# Altium PCB ZoM-Model-A.PcbDoc (part 1 of 3) (continued)
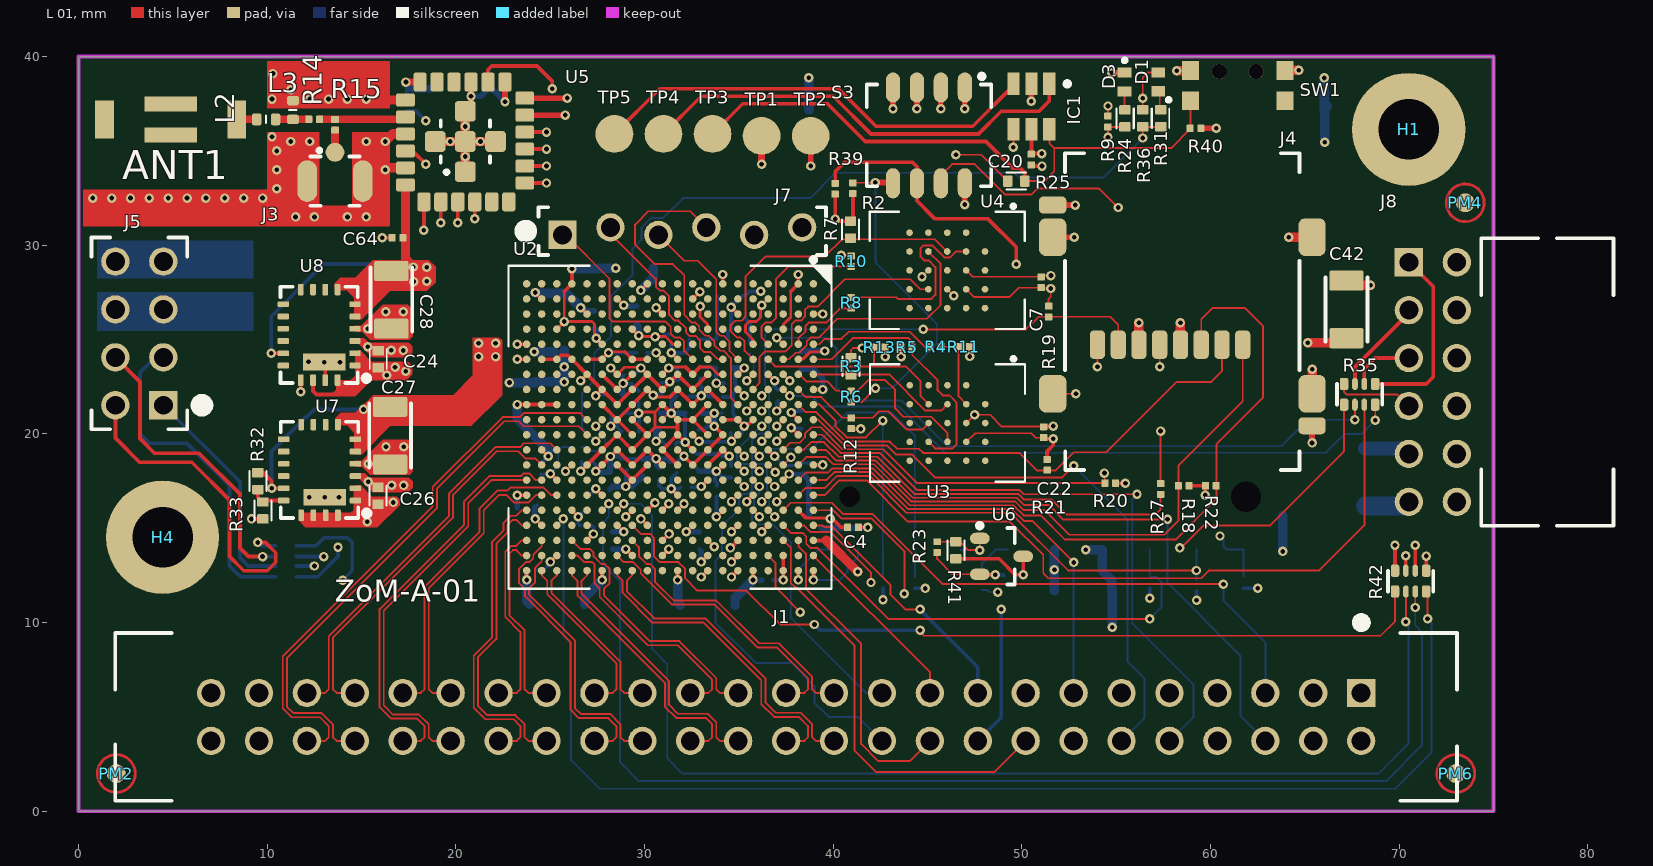
[diagram p0: L 01 view]
## Design rules (kind name [scope] priority, off if disabled: settings) (continued)
PolygonConnect [All] p3: connectstyle=Relief reliefconductorwidth=0.2 reliefentries=4 polygonreliefangle="90 Angle" airgapwidth=0.254
RoomDefinition ZoM-Model-A [InComponentClass('ZoM-Model-A')] p1: confinementstyle=ConfineIn formatcopy=TRUE lockcomponents=FALSE outline -179.174,-111.365 -128.374,-111.365 -128.374,-85.965 -179.174,-85.965
RoomDefinition FPGA-Misc [InComponentClass('FPGA-Misc')] p2: confinementstyle=ConfineIn formatcopy=TRUE lockcomponents=FALSE outline -179.174,-111.365 -128.374,-111.365 -128.374,-85.965 -179.174,-85.965
RoomDefinition B2B_Connectors [InComponentClass('B2B_Connectors')] p3: confinementstyle=ConfineIn formatcopy=TRUE lockcomponents=FALSE outline -179.174,-111.365 -128.374,-111.365 -128.374,-85.965 -179.174,-85.965
RoutingLayers "RoutingLayers_impedance control" [(InDifferentialPairClass('All Differential Pairs') OR InNetClass('D100-15') OR InNetClass('D100-25') OR InNetClass('D100-33') OR InNetClass('S50') OR InNetClass('S50-25') OR InNetClass('S50-33') OR InNetClass('S60-15'))] p1: top layer_v5=TRUE mid layer 1_v5=TRUE mid layer 2_v5=FALSE mid layer 3_v5=TRUE mid layer 6_v5=TRUE bottom layer_v5=TRUE
RoutingLayers [All] p2: top layer_v5=TRUE mid layer 1_v5=TRUE mid layer 2_v5=TRUE mid layer 3_v5=TRUE mid layer 6_v5=TRUE bottom layer_v5=TRUE
RoutingVias RoutingVias_Microvia [((StartLayer = 'L 01') And (StopLayer = 'L 02 Gnd')) or ((StartLayer = 'L 09 1V5') And (StopLayer = 'L 10'))] p1: holewidth=0.1 width=0.35 viastyle="Through Hole" minholewidth=0.1 minwidth=0.35 maxholewidth=0.1 maxwidth=0.35
RoutingVias RoutingVias_Burried [(StartLayer = 'L 02 Gnd') And (StopLayer = 'L 09 1V5')] p2: holewidth=0.25 width=0.55 viastyle="Through Hole" minholewidth=0.2 minwidth=0.5 maxholewidth=0.25 maxwidth=0.55
RoutingVias [All] p3: holewidth=0.2 width=0.45 viastyle="Through Hole" minholewidth=0.2 minwidth=0.45 maxholewidth=1 maxwidth=1.5
SMDNeckDown SMDNeckDown_50% [All] p1: percent=50.000
SMDToPlane [All] p1: distance=39370
ShortCircuit [(HasFootprint('MHole2_7mm')) vs InNet('GND')] p1: allowed=TRUE
SilkToSilkClearance [All] p1: silktosilkclearance=0.01
SilkToSolderMaskClearance SilkscreenOverComponentPads [IsPad] p1: minsilkscreentomaskgap=0.01 clearancetoexposedcopper=TRUE
SolderMaskExpansion SolderMaskExpansion_Via [IsVia] p1: expansion=-3
SolderMaskExpansion [All] p2: expansion=0
UnpouredPolygon [All] p1: allowunpoured=FALSE
Width Width_All_Differential_Pairs [(InDifferentialPairClass('All Differential Pairs'))] p1: maxlimit=1 minlimit=0.1 preferedwidth=1 toplayer_maxwidth=0.1 toplayer_prefwidth=0.1 midlayer1_maxwidth=0.1 midlayer1_prefwidth=0.1 midlayer2_minwidth=1 midlayer3_minwidth=0.254 midlayer3_maxwidth=0.254 midlayer3_prefwidth=0.254 midlayer6_minwidth=1 bottomlayer_maxwidth=0.1 bottomlayer_prefwidth=0.1 minimp=50.000000 maximp=50.000000 favimp=50.000000
Width Logo [(InComponent('LOGO*'))] p2: maxlimit=0.254 minlimit=0.001 preferedwidth=0.254 // Protel DXP Scope 1 Expression Was: (InComponent('LOGO?'))
Width All [All] p3: maxlimit=3 minlimit=0.1 preferedwidth=0.2 toplayer_prefwidth=0.12 midlayer1_prefwidth=0.1 midlayer6_prefwidth=0.1 bottomlayer_prefwidth=0.12 minimp=50.000000 maximp=50.000000 favimp=50.000000
13 further rules are at their usual default settings.

## Classes and differential pairs
net class B35: B35_IO0 B35_IO25 B35_L1_N B35_L2_N B35_L2_P B35_L3_N B35_L3_P B35_L4_P B35_L5_N B35_L5_P B35_L6_N B35_L6_P B35_L7_N B35_L7_P B35_L8_N B35_L8_P B35_L9_N B35_L9_P B35_L10_N B35_L10_P B35_L11_N B35_L11_P B35_L12_N B35_L12_P B35_L13_N B35_L13_P B35_L14_N B35_L14_P B35_L15_N B35_L15_P B35_L16_N B35_L16_P B35_L17_N B35_L17_P B35_L18_N B35_L18_P B35_L19_N B35_L19_P B35_L20_N B35_L20_P B35_L21_N B35_L21_P B35_L22_N B35_L22_P B35_L23_N B35_L23_P B35_L24_N B35_L24_P
net class B34: B34_L0 B34_L1_N B34_L1_P B34_L2_N B34_L2_P B34_L4_N B34_L4_P B34_L5_N B34_L5_P B34_L6_N B34_L6_P B34_L7_N B34_L7_P B34_L8_N B34_L8_P B34_L9_N B34_L9_P B34_L10_N B34_L10_P B34_L11_N B34_L11_P B34_L12_N B34_L12_P B34_L13_N B34_L13_P B34_L14_N B34_L14_P B34_L15_N B34_L15_P B34_L16_N B34_L16_P B34_L17_N B34_L17_P B34_L18_N B34_L18_P B34_L25
component class ZoM-Model-A: H1 H4 PM1 PM2 PM3 PM4 PM5 PM6
component class FPGA-Power: C23 C34 C35 C36 C37 C38 C39 C40 C41 C43 C44 C45 C46 C47 C48 C49 C50 C51 C52 C53 C54 C55 C56 C57 C58 C59 C60 C61 C62 C63 L4
component class OBPeripheral: ANT1 C20 C21 C22 C42 C64 C65 D1 D3 IC1 J2 J3 J4 L2 L3 R14 R15 R16 R17 R18 R19 R20 R21 R22 R23 R24 R25 R26 R27 R28 R29 R30 R31 R40 R41 S3 SW1 TP1 TP2 TP3 TP4 TP5 U5 U6
component class PS_MIO: C1 C2 C3 C4 C5 C6 C7 C8 L1 R1 R2 R3 R4 R5 R6 R7 R8 R9 R10 R11 R12 R13 R39 U1 U3 U4
component class B13: U2
net class MIO0: MIO7 MIO14 MIO15
net class MIO1: MIO16 MIO17 MIO18 MIO19 MIO20 MIO21 MIO22 MIO23 MIO24 MIO25 MIO26 MIO27 MIO28 MIO29 MIO30 MIO31 MIO32 MIO33 MIO34 MIO35 MIO36 MIO37 MIO38 MIO39 MIO40 MIO41 MIO42 MIO43 MIO44 MIO45 MIO46 MIO47 MIO48 MIO49 MIO50 MIO51 MIO52 MIO53
net class JTAG: TCK TDI TDO TMS
component class B34: C9 C10 C11 C12 C13 C14 C15
component class POWER: C24 C25 C26 C27 C28 R32 R33 U7 U8
component class B2B_Connectors: C29 C30 J1 J5 J7 J8 R34 R35 R42
component class B35: C16 C17 C18 C19
component class FPGA-Misc: C31 C32 C33 R36 R37 R38
net class USB_ULPI: MIO28 MIO29 MIO30 MIO31 MIO32 MIO33 MIO34 MIO35 MIO36 MIO37 MIO38 MIO39
differential pair B34_L17: +B34_L17_P -B34_L17_N
differential pair B34_L16: +B34_L16_P -B34_L16_N
differential pair B34_L15: +B34_L15_P -B34_L15_N
differential pair B34_L14: +B34_L14_P -B34_L14_N
differential pair B34_L13: +B34_L13_P -B34_L13_N
differential pair B34_L12: +B34_L12_P -B34_L12_N
differential pair B34_L11: +B34_L11_P -B34_L11_N
differential pair B34_L10: +B34_L10_P -B34_L10_N
differential pair B34_L6: +B34_L6_P -B34_L6_N
differential pair B34_L18: +B34_L18_P -B34_L18_N
differential pair B34_L9: +B34_L9_P -B34_L9_N
differential pair B34_L8: +B34_L8_P -B34_L8_N
differential pair B34_L7: +B34_L7_P -B34_L7_N
differential pair B34_L5: +B34_L5_P -B34_L5_N
differential pair B34_L4: +B34_L4_P -B34_L4_N
differential pair B34_L2: +B34_L2_P -B34_L2_N
differential pair B34_L1: +B34_L1_P -B34_L1_N

## Components (designator, comment, footprint, x,y, rotation, side; value= is the part's Value field where it differs from the comment)
ANT1 "Antena 2450AT43B100" "Antena 2450AT43B100" 4.882,36.664 r0 top
C1 "470nF" CAPC0603X33N 34.122,25.022 r0 bottom
C2 "4.7µF" CAPC1005X60N#1 38.316,20.753 r270 bottom
C3 "470nF" CAPC0603X33N 38.393,18.172 r270 bottom
C4 "470nF" CAPC0603X33N 41.047,15.049 r0 top
C5 "4.7µF" CAPC1005X60N#1 38.308,23.902 r270 bottom
C6 "470nF" CAPC0603X33N 37.069,22.041 r270 bottom
C7 "470nF" CAPC0603X33N 51.019,28.04 r90 top
C8 "470nF" CAPC0603X33N 49.326,12.5 r0 bottom
C9 "47µF" CAPC3216X180N 25.364,10.962 r0 bottom
C10 "4.7µF" CAPC1005X60N#1 28.307,14.347 r90 bottom
C11 "4.7µF" CAPC1005X60N#1 23.715,16.099 r180 bottom
C12 "470nF" CAPC0603X33N 24.044,12.794 r0 bottom
C13 "470nF" CAPC0603X33N 26.879,15.15 r180 bottom
C14 "470nF" CAPC0603X33N 26.973,16.359 r270 bottom
C15 "470nF" CAPC0603X33N 24.492,18.162 r90 bottom
C16 "47µF" CAPC3216X180N 33.341,10.93 r0 bottom
C17 "4.7µF" CAPC1005X60N#1 32.891,14.356 r270 bottom
C18 "470nF" CAPC0603X33N 32.191,17.175 r180 bottom
C19 "470nF" CAPC0603X33N 36.5,12.25 r180 bottom
C20 "470nF" CAPC0603X33N 50.49,34.543 r270 top
C21 "47µF" CAPC3216X180N 53.242,11.682 r0 bottom
C22 "470nF" CAPC0603X33N 51.147,20.095 r270 top
C23 "470nF" CAPC0603X33N 31.365,19.471 r0 bottom
C24 "4.7µF" CAPC1005X60N#1 15.885,23.964 r90 top
C25 "47µF" CAPC3216X180N 20.2,38.3 r0 bottom
C26 "4.7µF" CAPC1005X60N#1 15.868,16.724 r90 top
C27 "47µF" CAPC3216X180N 16.513,19.91 r270 top
C28 "47µF" CAPC3216X180N 16.578,27.114 r270 top
C29 "47µF" CAPC3216X180N 7.75,28 r270 bottom
C30 "47µF" CAPC3216X180N 68.2,17.7 r90 bottom
C31 "470nF" CAPC0603X33N 31.389,24.985 r270 bottom
C32 "470nF" CAPC0603X33N 34.856,20.056 r180 bottom
C33 "470nF" CAPC0603X33N 33.865,21.959 r180 bottom
C34 "470nF" CAPC0603X33N 34.583,17.993 r90 bottom
C35 "470nF" CAPC0603X33N 29.052,18.385 r270 bottom
C36 "470nF" CAPC0603X33N 29.177,23.111 r0 bottom
C37 "470nF" CAPC0603X33N 34.409,21.126 r0 bottom
C38 "470nF" CAPC0603X33N 29.691,21.974 r270 bottom
C39 "470nF" CAPC0603X33N 32.563,20.24 r180 bottom
C40 "470nF" CAPC0603X33N 33.834,16.972 r270 bottom
C41 "470nF" CAPC0603X33N 31.703,18.23 r270 bottom
C42 "47µF" CAPC3216X180N 67.2,26.6 r90 top
C43 "470nF" CAPC0603X33N 30.768,17.874 r270 bottom
C44 "470nF" CAPC0603X33N 31.992,21.981 r180 bottom
C45 "470nF" CAPC0603X33N 31.804,23.14 r270 bottom
C46 "470nF" CAPC0603X33N 28.522,21.002 r0 bottom
C47 "470nF" CAPC0603X33N 26.962,18.508 r180 bottom
C48 "470nF" CAPC0603X33N 33.883,19.283 r270 bottom
C49 "4.7µF" CAPC1005X60N#1 32.589,21.098 r180 bottom
C50 "470nF" CAPC0603X33N 30.896,22.453 r90 bottom
C51 "4.7µF" CAPC1005X60N#1 28.166,17.588 r270 bottom
C52 "4.7µF" CAPC1005X60N#1 29.25,20.134 r0 bottom
C53 "4.7µF" CAPC1005X60N#1 29.908,18.21 r270 bottom
C54 "4.7µF" CAPC1005X60N#1 29.566,26.305 r270 bottom
C55 "4.7µF" CAPC1005X60N#1 28.372,22.117 r180 bottom
C56 "4.7µF" CAPC1005X60N#1 27.332,26.059 r90 bottom
C57 "4.7µF" CAPC1005X60N#1 32.902,18.478 r90 bottom
C58 "4.7µF" CAPC1005X60N#2 30.672,20.692 r270 bottom
C59 "100µF" CAPC3216X180N 25.41,26.018 r90 bottom
C60 "100µF" CAPC3216X180N 29,28.5 r180 bottom
C61 "100µF" CAPC3216X180N 24.227,21.271 r270 bottom
C62 "470nF" CAPC0603X33N 34.499,22.672 r0 bottom
C63 "4.7µF" CAPC1005X60N#1 34.24,23.531 r0 bottom
C64 "470nF" CAPC0603X33N 16.9,30.4 r180 top
C65 "470nF" CAPC0603X33N 17.4,37.4 r270 bottom
D1 "LED Red SML-P11UTT86" LEDC1006X25N_RED 57.226,38.659 r270 top
D3 "LED Green SML-P11MTT86" LEDC1006X25N_GREEN 55.444,38.651 r90 top
H1 "Mount.Hole 3.2mm" MHole3_2mm 70.5,36.14 r0 top locked
H4 "Mount.Hole 3.2mm" MHole3_2mm 4.45,14.52 r0 top locked
IC1 "Atmel AVR ATtiny10" SOT23-6 50.503,37.354 r270 top
J1 "WANNE2,54-50 GERADE" "WANNE2,54-50 GERADE" 37.5,5 r180 top locked
J2 "MMC SD Socket" 104C-TAA0-R 52.371,27.168 r0 bottom locked
J3 "U.FL-R-SMT-1" U.FL-R-SMT-1 13.59,33.4 r0 top
J4 "SCHD3A0100" SCHD3A0100 58.503,26.481 r0 top locked
J5 "STIFTLEISTE2.54 OG 2R-8" "STIFTLEISTE2_54 OG 2R-8" 3.22,25.33 r90 top
J7 "Stiftleiste versetzt 1-reihig, 6pol." "STIFTLEISTE2_54 OG 1R-6V" 32,30.75 r0 top
J8 "PMod 2x6 Socket 90°" PMod2x6 71.78,22.75 r270 top locked
L1 "BKP0603HS121-T" INDC0603X33N 32.658,25.022 r0 bottom
L2 "IND-Ferrite" RESC1005X40R 9.94,36.67 r180 top
L3 "IND-Ferrite" RESC1005X40R 11.36,37.17 r90 top
L4 "BKP0603HS121-T" INDC0603X33N 32.93,23.24 r270 bottom
PM1 "FIDU-DOT - small" "FIDU-DOT - small" 73,2 r270 bottom locked
PM2 "FIDU-DOT - small" "FIDU-DOT - small" 2,2 r90 top locked
PM3 "FIDU-DOT - small" "FIDU-DOT - small" 73.5,32.25 r90 bottom
PM4 "FIDU-DOT - small" "FIDU-DOT - small" 73.5,32.25 r90 top
PM5 "FIDU-DOT - small" "FIDU-DOT - small" 2,2 r90 bottom locked
PM6 "FIDU-DOT - small" "FIDU-DOT - small" 73,2 r270 top locked
R1 "33R" RESC0603X26N 35.583,24.583 r270 bottom
R2 "10K" RESC0603X26N 41.042,33.02 r270 top
R3 "470R" RESC1005X40N 40.938,23.585 r270 top
R4 "33R" RESC0603X26N 45.431,24.617 r0 top
R5 "10K" RESC0603X26N 43.893,24.592 r180 top
R6 "10K" RESC0603X26N 40.955,21.979 r270 top
R7 "470R" RESC1005X40N 40.913,30.831 r90 top
R8 "33R" RESC0603X26N 40.942,26.95 r90 top
R9 "10K" RESC0603X26N 54.561,36.56 r270 top
R10 "10K" RESC0603X26N 40.942,29.155 r270 top
R11 "10K" RESC0603X26N 46.928,24.623 r180 top
R12 "10K" RESC0603X26N 40.954,20.565 r90 top
R13 "10K" RESC0603X26N 42.454,24.592 r180 top
R14 "0" RESC0603X26N 12.485,36.67 r180 top
R15 "0" RESC0603X26N 13.59,36.385 r90 top
R16 "10K" RESC0603X26N 59.247,11.988 r90 bottom
R17 "10K" RESC0603X26N 56.775,12.114 r90 bottom
R18 "10K" RESC0603X26N 58.581,17.248 r180 top
R19 "10K" RESC0603X26N 51.413,26.484 r270 top
R20 "10K" RESC0603X26N 54.682,17.39 r180 top
R21 "10K" RESC0603X26N 51.332,18.363 r270 top
R22 "10K" RESC0603X26N 60.011,17.254 r0 top
R23 "4K7" RESC0603X26N 45.5,14 r270 top
R24 "470R" RESC1005X40N 55.457,36.726 r270 top
R25 "470R" RESC1005X40N 49.7,33.4 r180 top
R26 "33R" RESC0603X26N 47.892,12.016 r90 bottom
R27 "33R" RESC0603X26N 57.353,17.083 r90 top
R28 "10K" RESC0603X26N 44.333,12.114 r90 bottom
R29 "10K" RESC0603X26N 42.635,12.114 r90 bottom
R30 "10K" RESC0603X26N 61.749,12.114 r90 bottom
R31 "470R" RESC1005X40N 57.358,36.734 r270 top
R32 "200K" RESC1005X40N 9.5,17.5 r270 top
R33 "301K" RESC1005X40N 9.766,15.943 r270 top
R34 "33R" RESCAX50P100X200X55-8N 11,13.25 r0 bottom
R35 "33R" RESCAX50P100X200X55-8N 67.9,22.1 r270 top
R36 "680R" RESC1005X40N 56.405,36.734 r270 top
R37 "4K7" RESC0603X26N 29.849,24.303 r180 bottom
R38 "4K7" RESC0603X26N 26.372,19.309 r180 bottom
R39 "10K" RESC0603X26N 40.1,33 r90 top
R40 "10K" RESC0603X26N 59.2,36.2 r0 top
R41 "0R" RESC1005X40N 46.5,13.833 r270 top
R42 "33R" RESCAX50P100X200X55-8N 70.6,12.2 r90 top
S3 "CHS-04TA" CHS-04TA 45.071,35.824 r270 top locked
SW1 "4pin button" KMS221G_LFS 61.432,38.457 r180 top
TP1 "TP" TP-SMD-2mm 36.2,35.8 r0 top
TP2 "TP" TP-SMD-2mm 38.8,35.8 r0 top
TP3 "TP" TP-SMD-2mm 33.6,35.9 r0 top
TP4 "TP" TP-SMD-2mm 31,35.9 r0 top
TP5 "TP" TP-SMD-2mm 28.4,35.9 r0 top
U1 "SiT8008AI-73-XXS-33.333333E" 2016 34.581,26.72 r90 bottom
U2 "XA7Z020-1CLG400I" BGA400C80P20X20_1700X1700X160N 31.347,20.355 r270 top locked
U3 "W25Q256FVBIG" BGA24C100P5X5_800X600X120N 46.052,20.577 r270 top locked
U4 "W25Q256FVBIG" BGA24C100P5X5_800X600X120N 46.042,28.669 r270 top locked
U5 "TiWi-uB2" TiWi-uB2 20.5,35.5 r90 top
U6 "ATSHA204A-STUCZ-T" SOT95P237X112-3N 48.916,13.513 r0 top
U7 "EN5311QI" EN5311QI 12.77,18.094 r180 top
U8 "EN5311QI" EN5311QI 12.75,25.25 r180 top

## Footprints (in the part's own frame and the unit in brackets; to place one, negate y for a bottom-side part, rotate by r counter-clockwise, add the part's x,y. Pads: shape width x height; smd on the part's side, far side on the other; paste and mask are expansions set on the pad)
104C-TAA0-R [mm]
  rrect50% 1x1.5 smd: 1(6.875,13.3) 2(4.375,13.3) 3(1.875,13.3) 4(-0.625,13.3) 5(-3.125,13.3) 6(-5.625,13.3) 7(-8.05,13.3) 8(-9.75,13.3) 9(9.375,13.3)
  rrect50% 0.7x1.5 smd: 10(-11.05,13.3) 11(-12.25,13.3)
  rrect50% 1.5x2.8 smd: 12(-13.655,-10) 12(-13.655,11.5) 12(11.445,11.5) 12(13.645,-10)
  round 0 hole 1.1 unplated: H1(-11.5,10.5)
  round 0 hole 1.6 unplated: H2(9.5,10.5)
  silkscreen extent -13.3,-8.2 13.3,12.5, body extent -14.02,-12.5 13.95,13.75, height 3.3
2016 [mm]
  rrect20% 0.8x0.9 smd: 1(0.6,-0.75) 2(0.6,0.75) 3(-0.6,0.75) 4(-0.6,-0.75)
  silkscreen extent -0.82,-0.85 1.4,0.1, body extent -0.82,-1.03 0.82,1.02, height 0.81
"Antena 2450AT43B100" [mm]
  rect 1x2 smd: 1(3.5,0) 2(-3.5,0)
  rect 2.8x0.8 smd: 3(0,0.815) 4(0,-0.815)
  Multi-Layer pour cut-out: -5,3.5 5,3.5 5,-3.5 -5,-3.5
BGA24C100P5X5_800X600X120N [mm]
  round 0.35 smd: A2(-1,2) A3(0,2) A4(1,2) A5(2,2) B1(-2,1) B2(-1,1) B3(0,1) B4(1,1) B5(2,1) C1(-2,0) C2(-1,0) C3(0,0) C4(1,0) C5(2,0) D1(-2,-1) D2(-1,-1) D3(0,-1) D4(1,-1) D5(2,-1) E1(-2,-2) E2(-1,-2) E3(0,-2) E4(1,-2) E5(2,-2)
  silkscreen extent -3.5,-4.11 3.11,4.11, body extent -3.05,-4.05 3.05,4.05, height 1.21
BGA400C80P20X20_1700X1700X160N [mm] "BGA, 400-Balls, Body 17x17mm, Pitch 0.8mm"
  round 0.4 smd: A1(-7.6,7.6) A2(-6.8,7.6) A3(-6,7.6) A4(-5.2,7.6) A5(-4.4,7.6) A6(-3.6,7.6) A7(-2.8,7.6) A8(-2,7.6) A9(-1.2,7.6) A10(-0.4,7.6) A11(0.4,7.6) A12(1.2,7.6) A13(2,7.6) A14(2.8,7.6) A15(3.6,7.6) A16(4.4,7.6) A17(5.2,7.6) A18(6,7.6) A19(6.8,7.6) A20(7.6,7.6) B1(-7.6,6.8) B2(-6.8,6.8) B3(-6,6.8) B4(-5.2,6.8) B5(-4.4,6.8) B6(-3.6,6.8) B7(-2.8,6.8) B8(-2,6.8) B9(-1.2,6.8) B10(-0.4,6.8) B11(0.4,6.8) B12(1.2,6.8) B13(2,6.8) B14(2.8,6.8) B15(3.6,6.8) B16(4.4,6.8) B17(5.2,6.8) B18(6,6.8) B19(6.8,6.8) B20(7.6,6.8) C1(-7.6,6) C2(-6.8,6) C3(-6,6) C4(-5.2,6) C5(-4.4,6) C6(-3.6,6) C7(-2.8,6) C8(-2,6) C9(-1.2,6) C10(-0.4,6) C11(0.4,6) C12(1.2,6) C13(2,6) C14(2.8,6) C15(3.6,6) C16(4.4,6) C17(5.2,6) C18(6,6) C19(6.8,6) C20(7.6,6) D1(-7.6,5.2) D2(-6.8,5.2) D3(-6,5.2) D4(-5.2,5.2) D5(-4.4,5.2) D6(-3.6,5.2) D7(-2.8,5.2) D8(-2,5.2) D9(-1.2,5.2) D10(-0.4,5.2) D11(0.4,5.2) D12(1.2,5.2) D13(2,5.2) D14(2.8,5.2) D15(3.6,5.2) D16(4.4,5.2) D17(5.2,5.2) D18(6,5.2) D19(6.8,5.2) D20(7.6,5.2) E1(-7.6,4.4) E2(-6.8,4.4) E3(-6,4.4) E4(-5.2,4.4) E5(-4.4,4.4) E6(-3.6,4.4) E7(-2.8,4.4) E8(-2,4.4) E9(-1.2,4.4) E10(-0.4,4.4) E11(0.4,4.4) E12(1.2,4.4) E13(2,4.4) E14(2.8,4.4) E15(3.6,4.4) E16(4.4,4.4) E17(5.2,4.4) E18(6,4.4) E19(6.8,4.4) E20(7.6,4.4) F1(-7.6,3.6) F2(-6.8,3.6) F3(-6,3.6) F4(-5.2,3.6) F5(-4.4,3.6) F6(-3.6,3.6) F7(-2.8,3.6) F8(-2,3.6) F9(-1.2,3.6) F10(-0.4,3.6) F11(0.4,3.6) F12(1.2,3.6) F13(2,3.6) F14(2.8,3.6) F15(3.6,3.6) F16(4.4,3.6) F17(5.2,3.6) F18(6,3.6) F19(6.8,3.6) F20(7.6,3.6) G1(-7.6,2.8) G2(-6.8,2.8) G3(-6,2.8) G4(-5.2,2.8) G5(-4.4,2.8) G6(-3.6,2.8) G7(-2.8,2.8) G8(-2,2.8) G9(-1.2,2.8) G10(-0.4,2.8) G11(0.4,2.8) G12(1.2,2.8) G13(2,2.8) G14(2.8,2.8) G15(3.6,2.8) G16(4.4,2.8) G17(5.2,2.8) G18(6,2.8) G19(6.8,2.8) G20(7.6,2.8) H1(-7.6,2) H2(-6.8,2) H3(-6,2) H4(-5.2,2) H5(-4.4,2) H6(-3.6,2) H7(-2.8,2) H8(-2,2) H9(-1.2,2) H10(-0.4,2) H11(0.4,2) H12(1.2,2) H13(2,2) H14(2.8,2) H15(3.6,2) H16(4.4,2) H17(5.2,2) H18(6,2) H19(6.8,2) H20(7.6,2) J1(-7.6,1.2) J2(-6.8,1.2) J3(-6,1.2) J4(-5.2,1.2) J5(-4.4,1.2) J6(-3.6,1.2) J7(-2.8,1.2) J8(-2,1.2) J9(-1.2,1.2) J10(-0.4,1.2) J11(0.4,1.2) J12(1.2,1.2) J13(2,1.2) J14(2.8,1.2) J15(3.6,1.2) J16(4.4,1.2) J17(5.2,1.2) J18(6,1.2) J19(6.8,1.2) J20(7.6,1.2) K1(-7.6,0.4) K2(-6.8,0.4) K3(-6,0.4) K4(-5.2,0.4) K5(-4.4,0.4) K6(-3.6,0.4) K7(-2.8,0.4) K8(-2,0.4) K9(-1.2,0.4) K10(-0.4,0.4) K11(0.4,0.4) K12(1.2,0.4) K13(2,0.4) K14(2.8,0.4) K15(3.6,0.4) K16(4.4,0.4) K17(5.2,0.4) K18(6,0.4) K19(6.8,0.4) K20(7.6,0.4) L1(-7.6,-0.4) L2(-6.8,-0.4) L3(-6,-0.4) L4(-5.2,-0.4) L5(-4.4,-0.4) L6(-3.6,-0.4) L7(-2.8,-0.4) L8(-2,-0.4) L9(-1.2,-0.4) L10(-0.4,-0.4) L11(0.4,-0.4) L12(1.2,-0.4) L13(2,-0.4) L14(2.8,-0.4) L15(3.6,-0.4) L16(4.4,-0.4) L17(5.2,-0.4) L18(6,-0.4) L19(6.8,-0.4) L20(7.6,-0.4) M1(-7.6,-1.2) M2(-6.8,-1.2) M3(-6,-1.2) M4(-5.2,-1.2) M5(-4.4,-1.2) M6(-3.6,-1.2) M7(-2.8,-1.2) M8(-2,-1.2) M9(-1.2,-1.2) M10(-0.4,-1.2) M11(0.4,-1.2) M12(1.2,-1.2) M13(2,-1.2) M14(2.8,-1.2) M15(3.6,-1.2) M16(4.4,-1.2) M17(5.2,-1.2) M18(6,-1.2) M19(6.8,-1.2) M20(7.6,-1.2) N1(-7.6,-2) N2(-6.8,-2) N3(-6,-2) N4(-5.2,-2) N5(-4.4,-2) N6(-3.6,-2) N7(-2.8,-2) N8(-2,-2) N9(-1.2,-2) N10(-0.4,-2) N11(0.4,-2) N12(1.2,-2) N13(2,-2) N14(2.8,-2) N15(3.6,-2) N16(4.4,-2) N17(5.2,-2) N18(6,-2) N19(6.8,-2) N20(7.6,-2) P1(-7.6,-2.8) P2(-6.8,-2.8) P3(-6,-2.8) P4(-5.2,-2.8) P5(-4.4,-2.8) P6(-3.6,-2.8) P7(-2.8,-2.8) P8(-2,-2.8) P9(-1.2,-2.8) P10(-0.4,-2.8) P11(0.4,-2.8) P12(1.2,-2.8) P13(2,-2.8) P14(2.8,-2.8) P15(3.6,-2.8) P16(4.4,-2.8) P17(5.2,-2.8) P18(6,-2.8) P19(6.8,-2.8) P20(7.6,-2.8) R1(-7.6,-3.6) R2(-6.8,-3.6) R3(-6,-3.6) R4(-5.2,-3.6) R5(-4.4,-3.6) R6(-3.6,-3.6) R7(-2.8,-3.6) R8(-2,-3.6) R9(-1.2,-3.6) R10(-0.4,-3.6) R11(0.4,-3.6) R12(1.2,-3.6) R13(2,-3.6) R14(2.8,-3.6) R15(3.6,-3.6) R16(4.4,-3.6) R17(5.2,-3.6) R18(6,-3.6) R19(6.8,-3.6) R20(7.6,-3.6) T1(-7.6,-4.4) T2(-6.8,-4.4) T3(-6,-4.4) T4(-5.2,-4.4) T5(-4.4,-4.4) T6(-3.6,-4.4) T7(-2.8,-4.4) T8(-2,-4.4) T9(-1.2,-4.4) T10(-0.4,-4.4) T11(0.4,-4.4) T12(1.2,-4.4) T13(2,-4.4) T14(2.8,-4.4) T15(3.6,-4.4) T16(4.4,-4.4) T17(5.2,-4.4) T18(6,-4.4) T19(6.8,-4.4) T20(7.6,-4.4) U1(-7.6,-5.2) U2(-6.8,-5.2) U3(-6,-5.2) U4(-5.2,-5.2) U5(-4.4,-5.2) U6(-3.6,-5.2) U7(-2.8,-5.2) U8(-2,-5.2) U9(-1.2,-5.2) U10(-0.4,-5.2) U11(0.4,-5.2) U12(1.2,-5.2) U13(2,-5.2) U14(2.8,-5.2) U15(3.6,-5.2) U16(4.4,-5.2) U17(5.2,-5.2) U18(6,-5.2) U19(6.8,-5.2) U20(7.6,-5.2) V1(-7.6,-6) V2(-6.8,-6) V3(-6,-6) V4(-5.2,-6) V5(-4.4,-6) V6(-3.6,-6) V7(-2.8,-6) V8(-2,-6) V9(-1.2,-6) V10(-0.4,-6) V11(0.4,-6) V12(1.2,-6) V13(2,-6) V14(2.8,-6) V15(3.6,-6) V16(4.4,-6) V17(5.2,-6) V18(6,-6) V19(6.8,-6) V20(7.6,-6) W1(-7.6,-6.8) W2(-6.8,-6.8) W3(-6,-6.8) W4(-5.2,-6.8) W5(-4.4,-6.8) W6(-3.6,-6.8) W7(-2.8,-6.8) W8(-2,-6.8) W9(-1.2,-6.8) W10(-0.4,-6.8) W11(0.4,-6.8) W12(1.2,-6.8) W13(2,-6.8) W14(2.8,-6.8) W15(3.6,-6.8) W16(4.4,-6.8) W17(5.2,-6.8) W18(6,-6.8) W19(6.8,-6.8) W20(7.6,-6.8) Y1(-7.6,-7.6) Y2(-6.8,-7.6) Y3(-6,-7.6) Y4(-5.2,-7.6) Y5(-4.4,-7.6) Y6(-3.6,-7.6) Y7(-2.8,-7.6) Y8(-2,-7.6) Y9(-1.2,-7.6) Y10(-0.4,-7.6) Y11(0.4,-7.6) Y12(1.2,-7.6) Y13(2,-7.6) Y14(2.8,-7.6) Y15(3.6,-7.6) Y16(4.4,-7.6) Y17(5.2,-7.6) Y18(6,-7.6) Y19(6.8,-7.6) Y20(7.6,-7.6)
  silkscreen extent -9,-8.56 8.56,8.56, body extent -8.5,-8.5 8.5,8.5, height 1.61
CAPC0603X33N [mm]
  rrect20% 0.37x0.4 smd: 1(-0.285,0) 2(0.285,0)
  body extent -0.3,-0.15 0.3,0.15, height 0.29
CAPC1005X60N#1 [mm] "Vishay VJ0402 1 x 0.5mm (+/- 0.05), 0.25mm +0.05/-0.1mm Kontakte"
  rrect20% 0.5x0.6 smd: 1(-0.45,0) 2(0.45,0)
  silkscreen extent -0.53,-0.45 0.53,0.45, body extent -0.5,-0.25 0.5,0.25, height 0.5
CAPC1005X60N#2 [mm] "Vishay VJ0402 1 x 0.5mm (+/- 0.05), 0.25mm +0.05/-0.1mm Kontakte"
  rrect20% 0.5x0.6 smd: 1(0.45,0) 2(-0.45,0)
  silkscreen extent -0.53,-0.45 0.53,0.45, body extent -0.5,-0.25 0.5,0.25, height 0.5
CAPC3216X180N [mm]
  rrect20% 1.07x1.82 smd: 1(-1.525,0) 2(1.525,0)
  silkscreen extent -1.7,-1.11 1.7,1.11, body extent -1.6,-0.81 1.6,0.81, height 1.82
CHS-04TA [mm]
  oval 1.6x0.76 smd: 1(-2.54,1.905) 2(-2.54,0.635) 3(-2.54,-0.635) 4(-2.54,-1.905) 5(2.54,-1.905) 6(2.54,-0.635) 7(2.54,0.635) 8(2.54,1.905)
  silkscreen extent -3.25,-3.3 2.7,3.3, body extent -3.35,-3.15 3.35,3.16, height 1.55
EN5311QI [mm]
  rrect33% 0.6x0.3 smd: 1(-1.9,1.625) 2(-1.9,0.975) 3(-1.9,0.325) 4(-1.9,-0.325) 5(-1.9,-0.975) 6(-1.9,-1.625) 11(1.9,-1.625) 12(1.9,-0.975) 13(1.9,-0.325) 14(1.9,0.325) 15(1.9,0.975) 16(1.9,1.625)
  rrect33% 0.3x0.6 smd: 7(-0.975,-2.4) 8(-0.325,-2.4) 9(0.325,-2.4) 10(0.975,-2.4) 17(0.975,2.4) 18(0.325,2.4) 19(-0.325,2.4) 20(-0.975,2.4)
  rect 2.25x0.9 smd: 21(-0.275,1.45)
  silkscreen extent -2.65,-2.55 2.05,2.55, body extent -2.05,-2.55 2.05,2.55, height 1.16
"FIDU-DOT - small" [mm]
  round 1 smd paste-1: 0(0,0)
  L 01 circle w0.15: c0,0 r1
INDC0603X33N [mm]
  rrect20% 0.37x0.4 smd: 1(-0.285,0) 2(0.285,0)
  body extent -0.32,-0.17 0.32,0.17, height 0.33
KMS221G_LFS [mm] "right angle SMD pushbutton"
  round 0.8 hole 0.8 unplated: 0(-0.975,-0.75) 0(0.975,-0.75)
  rect 0.9x1 smd: 1(-2.5,0.8) 2(2.5,0.8) 3(2.5,-0.8) 4(-2.5,-0.8)
  body extent -2.1,-2.15 2.1,1.4, height 1.42
LEDC1006X25N_GREEN [mm] "LED 0402, 2-Leads, Body 1,0x0,6mm, IPC Medium Density"
  rect 0.54x0.74 smd: A(-0.5,0) K(0.5,0)
  silkscreen extent 1.05,-0.1 1.25,0.1, body extent -0.51,-0.25 0.51,0.25, height 0.45
LEDC1006X25N_RED [mm] "LED 0402, 2-Leads, Body 1,0x0,6mm, IPC Medium Density"
  rect 0.54x0.74 smd: A(-0.5,0) K(0.5,0)
  silkscreen extent 0.85,0.45 1.05,0.65, body extent -0.5,-0.25 0.51,0.25, height 0.45
MHole3_2mm [mm]
  round 6 hole 3.2: 1(0,0)
  body extent -3.75,-3.75 3.75,3.75, height 2.33
PMod2x6 [mm]
  rect 1.5x1.5 hole 1: 1(-6.35,-1.27)
  round 1.5 hole 1: 2(-3.81,-1.27) 3(-1.27,-1.27) 4(1.27,-1.27) 5(3.81,-1.27) 6(6.35,-1.27) 7(-6.35,1.27) 8(-3.81,1.27) 9(-1.27,1.27) 10(1.27,1.27) 11(3.81,1.27) 12(6.35,1.27)
  silkscreen extent -7.62,2.57 7.62,9.57, body extent -7.87,-1.58 7.87,11.31, height 4.98
RESC0603X26N [mm]
  rrect20% 0.37x0.4 smd: 1(-0.285,0) 2(0.285,0)
  body extent -0.34,-0.16 0.34,0.17, height 0.34
RESC1005X40N [mm] "Vishay D0402 1 x 0.5mm (+/- 0.05), 0.2mm +/-0.1mm Kontakte"
  rrect20% 0.5x0.6 smd: 1(-0.45,0) 2(0.45,0)
  silkscreen extent -0.53,-0.45 0.53,0.45, body extent -0.5,-0.25 0.5,0.25, height 0.35
RESC1005X40R [mm] "Chip Resistor 0402, 2-Leads, Body 1.1x0.5mm"
  rrect40% 0.5x0.62 smd: 1(-0.5,0) 2(0.5,0)
  silkscreen extent 0,-0.2 0,0.2, body extent -0.91,-0.46 0.91,0.46, height 0.39
RESCAX50P100X200X55-8N [mm]
  rrect50% 0.65x0.45 smd: 1(-0.55,0.825) 4(-0.55,-0.825) 5(0.55,-0.825) 8(0.55,0.825)
  oval 0.65x0.3 smd: 2(-0.55,0.25) 3(-0.55,-0.25) 6(0.55,-0.25) 7(0.55,0.25)
  silkscreen extent -0.55,-1.2 0.55,1.2, body extent -0.55,-1.1 0.55,1.1, height 0.55
SCHD3A0100 [mm]
  rrect50% 0.8x1.5 smd: 1(3.2,-1.75) 2(2.1,-1.75) 3(1,-1.75) 4(-0.1,-1.75) 5(-1.2,-1.75) 6(-2.3,-1.75) 7(-3.4,-1.75) 8(-4.5,-1.75)
  rrect50% 1.45x0.9 smd: 9(6.875,-6.05) 10(-6.875,5.65)
  rrect50% 1.45x2 smd: F1(6.875,-4.35) F2(-6.875,-4.35) F3(6.875,3.95) F4(-6.875,3.95)
  silkscreen extent -6.21,-8.4 6.21,8.4, body extent -7.3,-8.4 7.33,8.4, height 1.7
SOT23-6 [mm]
  rect 1.2x0.65 smd: 1(-1.2,0.95) 2(-1.2,0) 3(-1.2,-0.95) 4(1.2,-0.95) 5(1.2,0) 6(1.2,0.95)
  silkscreen extent -1.32,1.78 -1.08,2.03, body extent -1.5,-1.5 1.5,1.5, height 1.45
SOT95P237X112-3N [mm]
  oval 1.05x0.6 smd: 1(-1.15,0.95) 2(-1.15,-0.95) 3(1.15,0)
  silkscreen extent -1.27,-1.5 0.7,1.75, body extent -1.25,-1.46 1.23,1.46, height 1.01
"STIFTLEISTE2_54 OG 1R-6V" [mm]
  rect 1.5x1.5 hole 1: 1(-6.35,-0.2)
  round 1.5 hole 1: 2(-3.81,0.2) 3(-1.27,-0.2) 4(1.27,0.2) 5(3.81,-0.2) 6(6.35,0.2)
  silkscreen extent -8.6,-1.27 7.62,1.27, body extent -7.52,-1.27 7.72,1.23, height 8.2
"STIFTLEISTE2_54 OG 2R-8" [mm]
  rect 1.5x1.5 hole 1: 1(-3.81,-1.27)
  round 1.5 hole 1: 2(-3.81,1.27) 3(-1.27,-1.27) 4(-1.27,1.27) 5(1.27,-1.27) 6(1.27,1.27) 7(3.81,-1.27) 8(3.81,1.27)
  silkscreen extent -5.08,-3.62 5.08,2.54, body extent -5.08,-2.54 5.08,2.54, height 8.5
TiWi-uB2 [mm]
  rrect33% 0.7x1 smd: 1(-2.2,-3.15) 2(-1.3,-3.15) 3(-0.4,-3.15) 4(0.5,-3.15) 5(1.4,-3.15) 6(2.3,-3.15) 13(2.2,3.175) 14(1.3,3.175) 15(0.4,3.175) 16(-0.5,3.175) 17(-1.4,3.175) 18(-2.3,3.175)
  rrect33% 1x0.7 smd: 7(3.15,-2.1) 8(3.15,-1.2) 9(3.15,-0.3) 10(3.15,0.6) 11(3.15,1.5) 12(3.15,2.4) 19(-3.2,2.2) 20(-3.2,1.3) 21(-3.2,0.4) 22(-3.2,-0.5) 23(-3.2,-1.4) 24(-3.2,-2.3)
  rrect33% 1.1x1.1 smd: 25(0,-1.6) 26(-1.6,0) 27(0,0) 28(1.6,0) 29(0,1.6)
  silkscreen extent -1.72,-1.3 1.13,1.3, body extent -3.5,-3.5 3.5,3.5, height 1.5
TP-SMD-2mm [mm] "TP"
  round 2 smd paste-5: 1(0,0)
U.FL-R-SMT-1 [mm]
  round 1 smd: 1(0,1.525)
  oval 1.05x2.2 smd: 2(-1.475,0) 3(1.475,0)
  silkscreen extent -1.3,-1.3 1.3,1.73, body extent -1.5,-1.55 1.5,1.55, height 1.25
"WANNE2,54-50 GERADE" [mm]
  rect 1.5x1.5 hole 1: 1(-30.48,-1.27)
  round 1.5 hole 1: 2(-30.48,1.27) 3(-27.94,-1.27) 4(-27.94,1.27) 5(-25.4,-1.27) 6(-25.4,1.27) 7(-22.86,-1.27) 8(-22.86,1.27) 9(-20.32,-1.27) 10(-20.32,1.27) 11(-17.78,-1.27) 12(-17.78,1.27) 13(-15.24,-1.27) 14(-15.24,1.27) 15(-12.7,-1.27) 16(-12.7,1.27) 17(-10.16,-1.27) 18(-10.16,1.27) 19(-7.62,-1.27) 20(-7.62,1.27) 21(-5.08,-1.27) 22(-5.08,1.27) 23(-2.54,-1.27) 24(-2.54,1.27) 25(0,-1.27) 26(0,1.27) 27(2.54,-1.27) 28(2.54,1.27) 29(5.08,-1.27) 30(5.08,1.27) 31(7.62,-1.27) 32(7.62,1.27) 33(10.16,-1.27) 34(10.16,1.27) 35(12.7,-1.27) 36(12.7,1.27) 37(15.24,-1.27) 38(15.24,1.27) 39(17.78,-1.27) 40(17.78,1.27) 41(20.32,-1.27) 42(20.32,1.27) 43(22.86,-1.27) 44(22.86,1.27) 45(25.4,-1.27) 46(25.4,1.27) 47(27.94,-1.27) 48(27.94,1.27) 49(30.48,-1.27) 50(30.48,1.27)
  silkscreen extent -35.56,-5.25 35.56,4.45, body extent -35.66,-4.45 35.66,4.75, height 9.5